# KiCad board central-control-unit.kicad_pcb (continued)
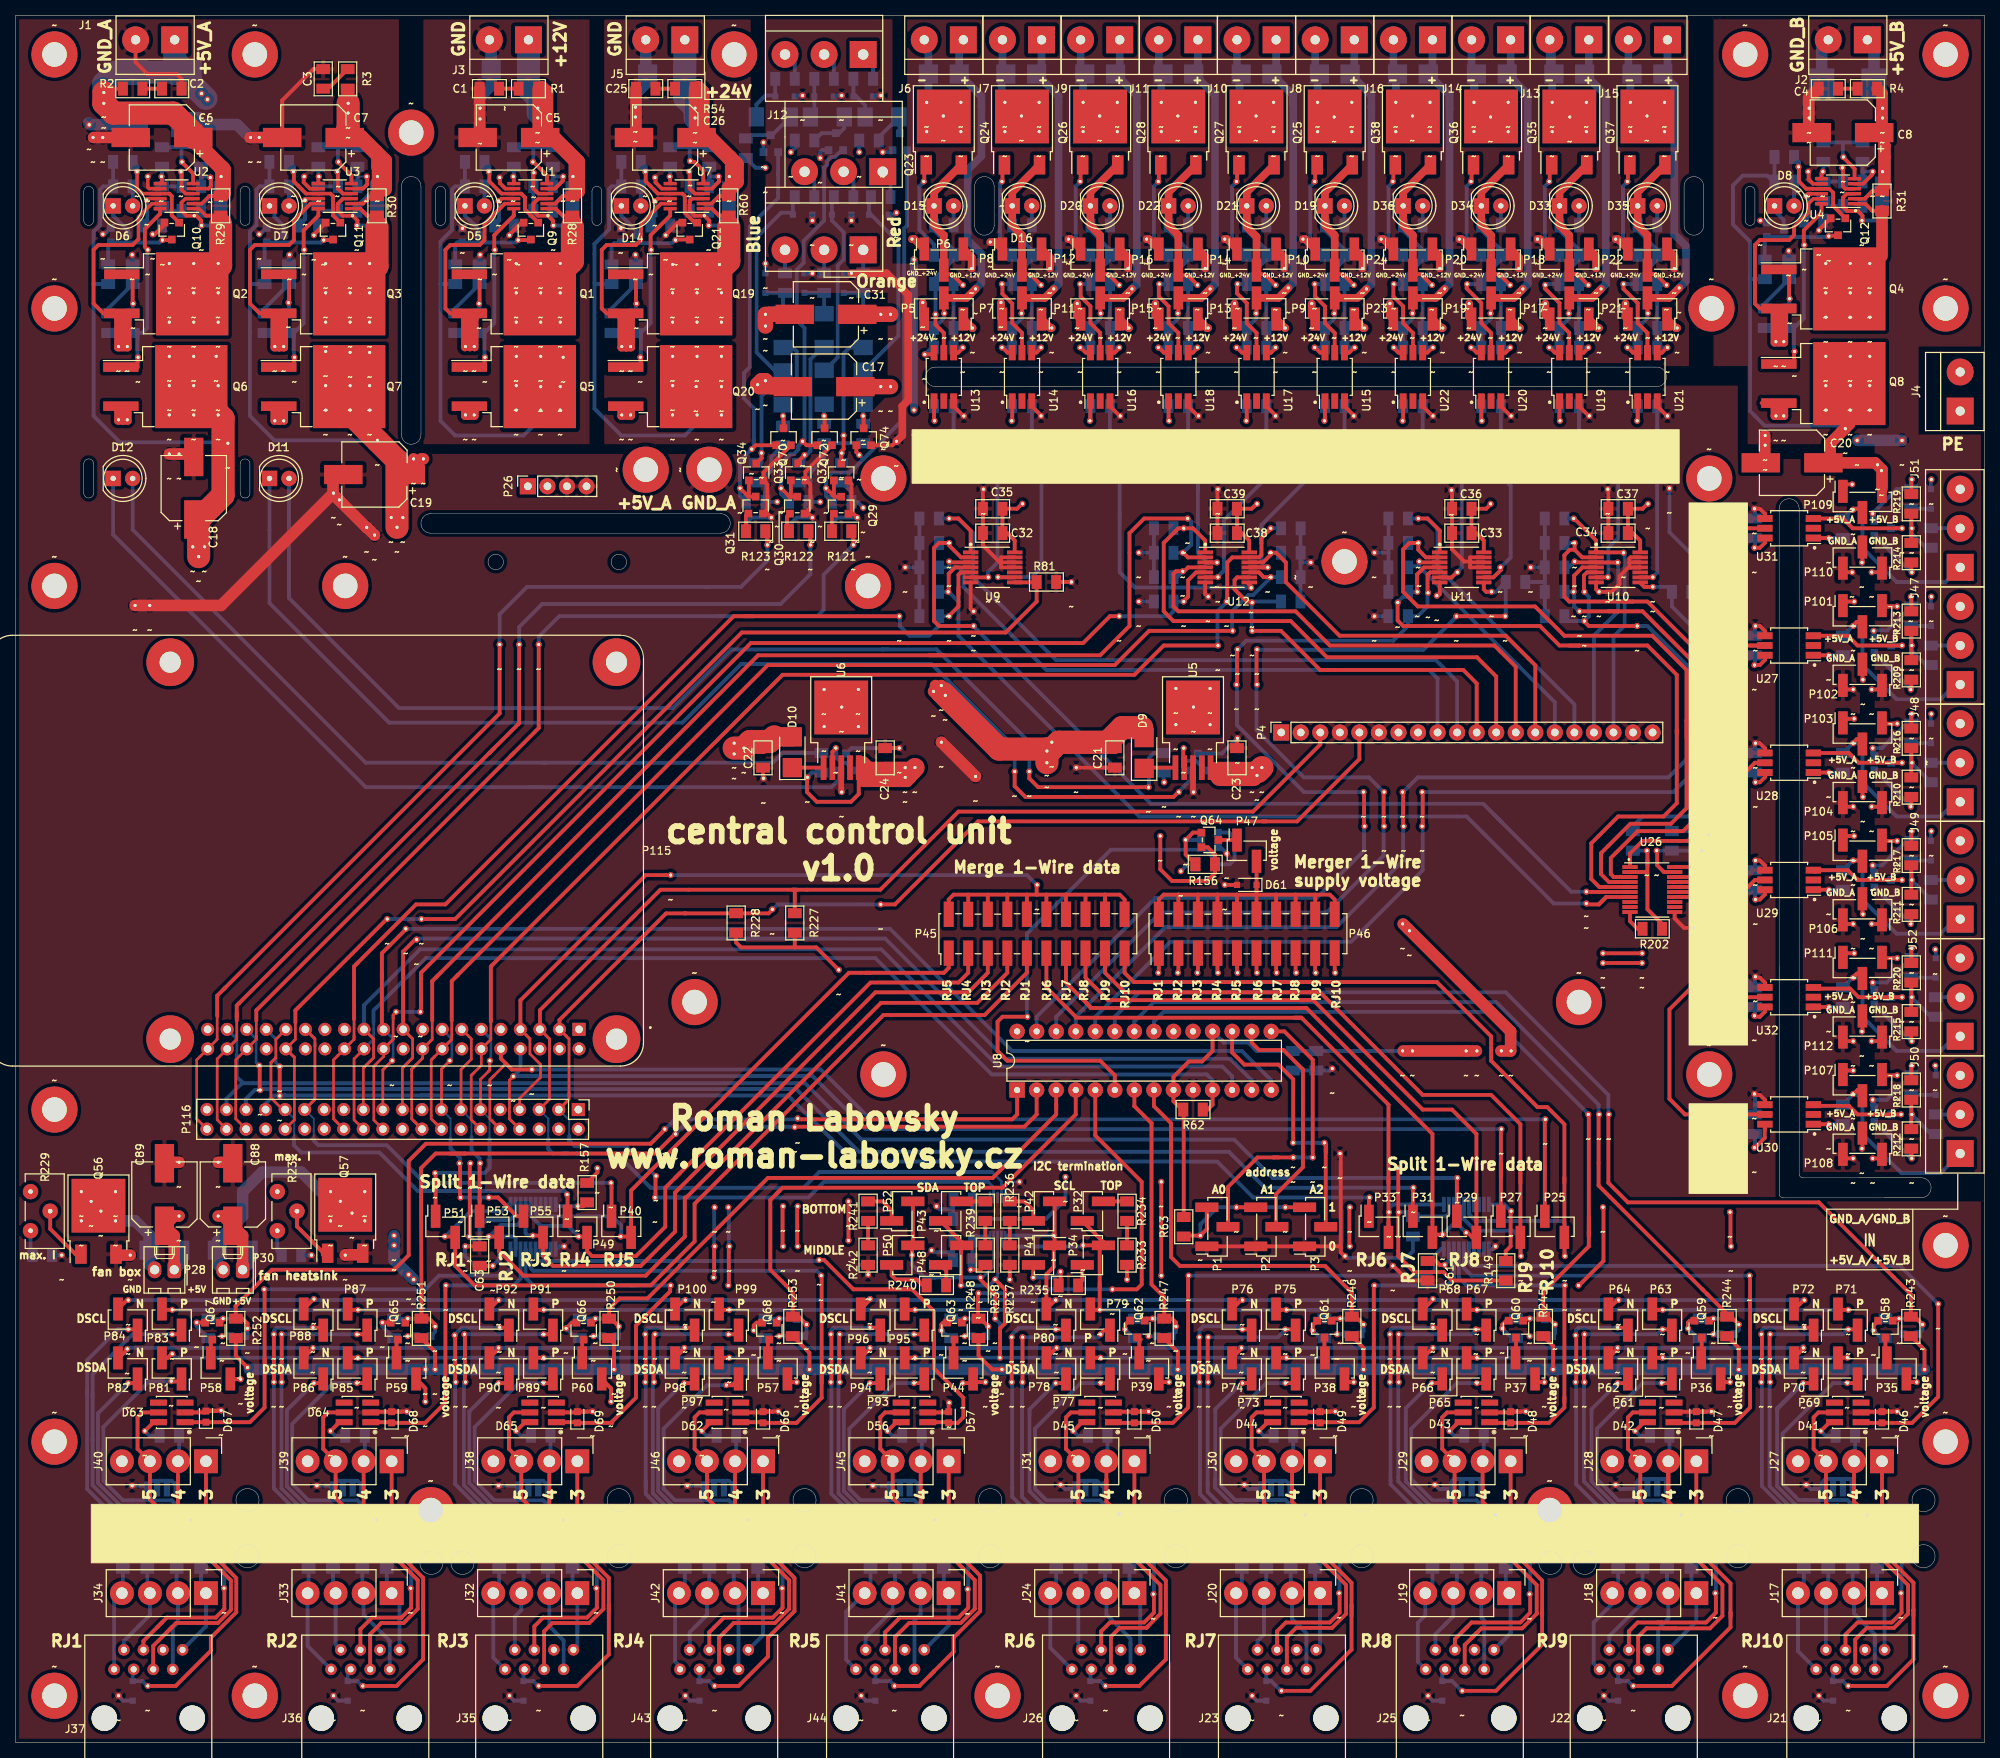
[diagram p0: board, top side]
## Placement (name value [footprint] x y rotation side) (continued)
P40  1x2_pin_header  [1x2_pinheader_2.54mm_vertical]  78.74 67.06 0 top
P41  1x2_pin_header  [1x2_pinheader_2.54mm_vertical]  133.67 63.37 270 top
P42  1x2_pin_header  [1x2_pinheader_2.54mm_vertical]  133.67 69.09 90 top
P43  1x2_pin_header  [1x2_pinheader_2.54mm_vertical]  121.6 69.09 90 top
P44  1x2_pin_header  [1x2_pinheader_2.54mm_vertical]  123.19 48.64 0 top
P45  2x10_pin_header  [2x10_pinheader_2.54mm_vertical]  132.72 105.16 0 top
P46  2x10_pin_header  [2x10_pinheader_2.54mm_vertical]  160.02 105.16 0 top
P47  1x2_pin_header  [1x2_pinheader_2.54mm_vertical]  160.02 115.95 0 top
P48  1x2_pin_header  [1x2_pinheader_2.54mm_vertical]  121.6 63.37 90 top
P49  1x2_pin_header  [1x2_pinheader_2.54mm_vertical]  73.02 67.06 0 top
P50  1x2_pin_header  [1x2_pinheader_2.54mm_vertical]  115.25 63.37 270 top
P51  1x2_pin_header  [1x2_pinheader_2.54mm_vertical]  55.88 67.06 0 top
P52  1x2_pin_header  [1x2_pinheader_2.54mm_vertical]  115.25 69.09 90 top
P53  1x2_pin_header  [1x2_pinheader_2.54mm_vertical]  61.59 67.06 0 top
P55  1x2_pin_header  [1x2_pinheader_2.54mm_vertical]  67.31 67.06 0 top
P57  1x2_pin_header  [1x2_pinheader_2.54mm_vertical]  99.06 48.64 0 top
P58  1x2_pin_header  [1x2_pinheader_2.54mm_vertical]  26.67 48.64 0 top
P59  1x2_pin_header  [1x2_pinheader_2.54mm_vertical]  50.8 48.64 0 top
P60  1x2_pin_header  [1x2_pinheader_2.54mm_vertical]  74.93 48.64 0 top
P61  1x2_pin_header  [1x2_pinheader_2.54mm_vertical]  214 48.64 180 top
P62  1x2_pin_header  [1x2_pinheader_2.54mm_vertical]  208.28 48.64 180 top
P63  1x2_pin_header  [1x2_pinheader_2.54mm_vertical]  214 54.99 180 top
P64  1x2_pin_header  [1x2_pinheader_2.54mm_vertical]  208.28 54.99 180 top
P65  1x2_pin_header  [1x2_pinheader_2.54mm_vertical]  189.87 48.64 180 top
P66  1x2_pin_header  [1x2_pinheader_2.54mm_vertical]  184.15 48.64 180 top
P67  1x2_pin_header  [1x2_pinheader_2.54mm_vertical]  189.87 54.99 180 top
P68  1x2_pin_header  [1x2_pinheader_2.54mm_vertical]  184.15 54.99 180 top
P69  1x2_pin_header  [1x2_pinheader_2.54mm_vertical]  238.12 48.64 180 top
P70  1x2_pin_header  [1x2_pinheader_2.54mm_vertical]  232.41 48.64 180 top
P71  1x2_pin_header  [1x2_pinheader_2.54mm_vertical]  238.12 54.99 180 top
P72  1x2_pin_header  [1x2_pinheader_2.54mm_vertical]  232.41 54.99 180 top
P73  1x2_pin_header  [1x2_pinheader_2.54mm_vertical]  165.1 48.64 180 top
P74  1x2_pin_header  [1x2_pinheader_2.54mm_vertical]  159.39 48.64 180 top
P75  1x2_pin_header  [1x2_pinheader_2.54mm_vertical]  165.1 54.99 180 top
P76  1x2_pin_header  [1x2_pinheader_2.54mm_vertical]  159.39 54.99 180 top
P77  1x2_pin_header  [1x2_pinheader_2.54mm_vertical]  140.97 48.64 180 top
P78  1x2_pin_header  [1x2_pinheader_2.54mm_vertical]  135.26 48.64 180 top
P79  1x2_pin_header  [1x2_pinheader_2.54mm_vertical]  140.97 54.99 180 top
P80  1x2_pin_header  [1x2_pinheader_2.54mm_vertical]  135.26 54.99 180 top
P81  1x2_pin_header  [1x2_pinheader_2.54mm_vertical]  20.32 48.64 180 top
P82  1x2_pin_header  [1x2_pinheader_2.54mm_vertical]  14.6 48.64 180 top
P83  1x2_pin_header  [1x2_pinheader_2.54mm_vertical]  20.32 54.99 180 top
P84  1x2_pin_header  [1x2_pinheader_2.54mm_vertical]  14.6 54.99 180 top
P85  1x2_pin_header  [1x2_pinheader_2.54mm_vertical]  44.45 48.64 180 top
P86  1x2_pin_header  [1x2_pinheader_2.54mm_vertical]  38.73 48.64 180 top
P87  1x2_pin_header  [1x2_pinheader_2.54mm_vertical]  44.45 54.99 180 top
P88  1x2_pin_header  [1x2_pinheader_2.54mm_vertical]  38.73 54.99 180 top
P89  1x2_pin_header  [1x2_pinheader_2.54mm_vertical]  68.58 48.64 180 top
P90  1x2_pin_header  [1x2_pinheader_2.54mm_vertical]  62.86 48.64 180 top
P91  1x2_pin_header  [1x2_pinheader_2.54mm_vertical]  68.58 54.99 180 top
P92  1x2_pin_header  [1x2_pinheader_2.54mm_vertical]  62.86 54.99 180 top
P93  1x2_pin_header  [1x2_pinheader_2.54mm_vertical]  116.84 48.64 180 top
P94  1x2_pin_header  [1x2_pinheader_2.54mm_vertical]  111.12 48.64 180 top
P95  1x2_pin_header  [1x2_pinheader_2.54mm_vertical]  116.84 54.99 180 top
P96  1x2_pin_header  [1x2_pinheader_2.54mm_vertical]  111.12 54.99 180 top
P97  1x2_pin_header  [1x2_pinheader_2.54mm_vertical]  92.71 48.64 180 top
P98  1x2_pin_header  [1x2_pinheader_2.54mm_vertical]  87 48.64 180 top
P99  1x2_pin_header  [1x2_pinheader_2.54mm_vertical]  92.71 54.99 180 top
P100  1x2_pin_header  [1x2_pinheader_2.54mm_vertical]  87 54.99 180 top
P101  1x3_pin_header  [1x3_pinheader_2.54mm_vertical]  240.03 146.43 0 top
P102  1x3_pin_header  [1x3_pinheader_2.54mm_vertical]  240.03 138.81 180 top
P103  1x3_pin_header  [1x3_pinheader_2.54mm_vertical]  240.03 131.19 0 top
P104  1x3_pin_header  [1x3_pinheader_2.54mm_vertical]  240.03 123.57 180 top
P105  1x3_pin_header  [1x3_pinheader_2.54mm_vertical]  240.03 115.95 0 top
P106  1x3_pin_header  [1x3_pinheader_2.54mm_vertical]  240.03 108.33 180 top
P107  1x3_pin_header  [1x3_pinheader_2.54mm_vertical]  240.03 85.47 0 top
P108  1x3_pin_header  [1x3_pinheader_2.54mm_vertical]  240.03 77.85 180 top
P109  1x3_pin_header  [1x3_pinheader_2.54mm_vertical]  240.03 161.29 0 top
P110  1x3_pin_header  [1x3_pinheader_2.54mm_vertical]  240.03 154.05 180 top
P111  1x3_pin_header  [1x3_pinheader_2.54mm_vertical]  240.03 100.71 0 top
P112  1x3_pin_header  [1x3_pinheader_2.54mm_vertical]  240.03 93.09 180 top
P115  2x20_pin_socket  [module_raspberry_pi_4b]  39.12 115.95 180 top
P116  2x20_pin_header  [2x20_pinheader_2.54mm_rpi_rl]  73.15 81.03 270 top
Q1  AOB1608L  [to_263_2]  64.77 188.34 0 top
Q2  AOB1608L  [to_263_2]  19.6 188.34 0 top
Q3  AOB1608L  [to_263_2]  40 188.34 0 top
Q4  AOB1608L  [to_263_2]  234.95 188.98 0 top
Q5  AOB1608L  [to_263_2]  64.77 176.28 0 top
Q6  AOB1608L  [to_263_2]  19.48 176.28 0 top
Q7  AOB1608L  [to_263_2]  40 176.28 0 top
Q8  AOB1608L  [to_263_2]  234.95 176.68 0 top
Q9  PMV213SN,215  [sot_23]  66.99 196.6 270 top
Q10  PMV213SN,215  [sot_23]  20.32 196.6 270 top
Q11  PMV213SN,215  [sot_23]  41.27 196.6 270 top
Q12  PMV213SN,215  [sot_23]  236.86 197.16 270 top
Q13  PMV213SN,215  [sot_23]  59.1 195.96 0 bottom
Q14  PMV213SN,215  [sot_23]  13.4 195.96 0 bottom
Q15  PMV213SN,215  [sot_23]  33.66 195.96 0 bottom
Q16  PMV213SN,215  [sot_23]  228.6 196.67 0 bottom
Q17  YJL2305A  [sot_23]  153.67 127.38 90 bottom
Q18  YJL2305A  [sot_23]  107.95 127.38 90 bottom
Q19  AOB1608L  [to_263_2]  85.09 188.34 0 top
Q20  AOB1608L  [to_263_2]  85.09 176.28 0 top
Q21  PMV213SN,215  [sot_23]  87.63 196.6 270 top
Q22  PMV213SN,215  [sot_23]  79.69 195.96 0 bottom
Q23  AOD458  [to_252_2]  120.65 209.3 90 top
Q24  AOD458  [to_252_2]  130.81 209.3 90 top
Q25  AOD458  [to_252_2]  171.45 209.3 90 top
Q26  AOD458  [to_252_2]  140.97 209.3 90 top
Q27  AOD458  [to_252_2]  161.29 209.3 90 top
Q28  AOD458  [to_252_2]  151.13 209.3 90 top
Q29  PMV213SN,215  [sot_23]  107.31 160.77 90 top
Q30  PMV213SN,215  [sot_23]  101.6 160.77 90 top
Q31  PMV213SN,215  [sot_23]  96.2 160.78 90 top
Q32  PMV213SN,215  [sot_23]  107.31 165.08 90 top
Q33  PMV213SN,215  [sot_23]  101.72 165.1 90 top
Q34  PMV213SN,215  [sot_23]  96.27 165.08 90 top
Q35  AOD458  [to_252_2]  201.93 209.3 90 top
Q36  AOD458  [to_252_2]  191.77 209.3 90 top
Q37  AOD458  [to_252_2]  212.09 209.3 90 top
Q38  AOD458  [to_252_2]  181.61 209.3 90 top
Q39  PMV213SN,215  [sot_23]  246.32 54.1 90 bottom
Q40  PMV213SN,215  [sot_23]  222.44 54.1 90 bottom
Q41  PMV213SN,215  [sot_23]  198.75 53.83 90 bottom
Q42  PMV213SN,215  [sot_23]  173.86 54.09 90 bottom
Q43  PMV213SN,215  [sot_23]  149.29 53.85 90 bottom
Q44  PMV213SN,215  [sot_23]  125.22 53.83 90 bottom
Q45  PMV213SN,215  [sot_23]  155.26 117.35 180 bottom
Q46  PMV213SN,215  [sot_23]  101.54 53.85 90 bottom
Q47  PMV213SN,215  [sot_23]  28.89 53.85 90 bottom
Q48  PMV213SN,215  [sot_23]  53.02 53.85 90 bottom
Q49  PMV213SN,215  [sot_23]  77.22 53.83 90 bottom
Q50  PMV213SN,215  [sot_23]  242.57 142.62 0 bottom
Q51  PMV213SN,215  [sot_23]  242.57 127.38 0 bottom
Q52  PMV213SN,215  [sot_23]  242.57 112.14 0 bottom
Q53  PMV213SN,215  [sot_23]  242.57 81.66 0 bottom
Q54  PMV213SN,215  [sot_23]  242.57 157.86 0 bottom
Q55  PMV213SN,215  [sot_23]  242.57 96.9 0 bottom
Q56  YJD20N06A  [to_252_2]  10.79 67.69 90 top
Q57  YJD20N06A  [to_252_2]  42.86 67.82 90 top
Q58  BXT600P03M  [sot_23]  243.01 53.85 270 top
Q59  BXT600P03M  [sot_23]  219.14 53.85 270 top
Q60  BXT600P03M  [sot_23]  195.01 53.85 270 top
Q61  BXT600P03M  [sot_23]  170.12 53.85 270 top
Q62  BXT600P03M  [sot_23]  145.8 53.86 270 top
Q63  BXT600P03M  [sot_23]  122.04 53.61 270 top
Q64  BXT600P03M  [sot_23]  155.13 117.35 0 top
Q65  BXT600P03M  [sot_23]  49.72 53.59 270 top
Q66  BXT600P03M  [sot_23]  73.85 53.59 270 top
Q67  BXT600P03M  [sot_23]  25.59 53.59 270 top
Q68  BXT600P03M  [sot_23]  97.98 53.59 270 top
Q69  PMV213SN,215  [sot_23]  98.17 207.77 90 bottom
Q70  PMV213SN,215  [sot_23]  99.82 169.66 90 top
Q71  PMV213SN,215  [sot_23]  114.93 208.01 90 bottom
Q72  PMV213SN,215  [sot_23]  105.16 169.66 90 top
Q73  PMV213SN,215  [sot_23]  106.62 208.03 90 bottom
Q74  PMV213SN,215  [sot_23]  110.24 169.66 90 top
R1  10R  [r_1206]  66.67 215.01 180 top
R2  10R  [r_1206]  15.24 215.01 0 top
R3  10R  [r_1206]  43.18 216.28 90 top
R4  10R  [r_1206]  240.67 215.01 180 top
R5  649k  [r_1206]  68.58 199.14 180 bottom
R6  7k32  [r_1206]  68.58 202.31 0 bottom
R7  11k  [r_1206]  69.85 206.12 90 bottom
R8  61k9  [r_1206]  64.77 206.12 270 bottom
R9  825k  [r_1206]  22.86 199.14 180 bottom
R10  12k1  [r_1206]  19.05 201.04 90 bottom
R11  4k12  [r_1206]  22.86 202.31 0 bottom
R12  13k7  [r_1206]  24.13 206.12 90 bottom
R13  150k  [r_1206]  19.05 206.12 270 bottom
R14  825k  [r_1206]  43.18 199.14 180 bottom
R15  12k1  [r_1206]  39.37 201.04 90 bottom
R16  4k12  [r_1206]  43.18 202.31 0 bottom
R17  13k7  [r_1206]  44.45 206.12 90 bottom
R18  150k  [r_1206]  39.37 206.12 270 bottom
R19  825k  [r_1206]  238.76 199.77 180 bottom
R20  12k1  [r_1206]  234.95 201.68 90 bottom
R21  4k12  [r_1206]  238.76 202.95 0 bottom
R22  13k7  [r_1206]  240.03 206.76 90 bottom
R23  150k  [r_1206]  234.95 206.76 270 bottom
R24  100k  [r_1206]  72.39 201.04 270 bottom
R25  100k  [r_1206]  26.67 201.04 270 bottom
R26  100k  [r_1206]  46.99 201.04 270 bottom
R27  100k  [r_1206]  242.57 201.68 270 bottom
R28  47m  [r_1206]  72.39 199.77 90 top
R29  15m  [r_1206]  26.67 199.77 90 top
R30  47m  [r_1206]  46.99 199.77 90 top
R31  100m  [r_1206]  242.57 200.41 90 top
R32  10R  [r_1206]  60.33 184.53 270 bottom
R33  10R  [r_1206]  15.24 184.53 270 bottom
R34  10R  [r_1206]  35.56 184.53 270 bottom
R35  10R  [r_1206]  230.51 185.17 270 bottom
R36  1k  [r_1206]  57.15 184.53 270 bottom
R37  1k  [r_1206]  12.06 184.53 270 bottom
R38  1k  [r_1206]  32.38 184.53 270 bottom
R39  1k  [r_1206]  227.33 185.17 270 bottom
R40  100k  [r_1206]  59.69 205.49 0 bottom
R41  100k  [r_1206]  13.97 205.49 0 bottom
R42  100k  [r_1206]  34.29 205.49 0 bottom
R43  100k  [r_1206]  229.87 206.12 0 bottom
R44  100k  [r_1206]  57.15 190.88 90 bottom
R45  100k  [r_1206]  12.06 190.88 90 bottom
R46  100k  [r_1206]  32.38 190.88 90 bottom
R47  100k  [r_1206]  227.33 191.52 90 bottom
R48  1k02  [r_1206]  59.69 202.31 0 bottom
R49  330R  [r_1206]  13.97 202.31 0 bottom
R50  330R  [r_1206]  34.29 202.31 0 bottom
R51  330R  [r_1206]  229.87 202.95 0 bottom
R52  150R  [r_1206]  149.23 127.38 90 bottom
R53  150R  [r_1206]  104.77 127.38 90 bottom
R54  10R  [r_1206]  87 215.01 180 top
R55  825k  [r_1206]  88.9 199.14 180 bottom
R56  1k6  [r_1206]  88.9 202.31 0 bottom
R57  2k74  [r_1206]  90.17 206.12 90 bottom
R58  32k4  [r_1206]  85.09 206.12 270 bottom
R59  100k  [r_1206]  92.71 201.04 270 bottom
R60  47m  [r_1206]  92.71 199.77 90 top
R61  10R  [r_1206]  80.64 184.53 270 bottom
R62  10k  [r_1206]  153.04 82.3 0 top
R63  10k  [r_1206]  151.83 67.06 270 top
R64  1k  [r_1206]  77.47 184.53 270 bottom
R65  100k  [r_1206]  80.01 205.49 0 bottom
R66  100k  [r_1206]  77.47 190.88 90 bottom
R67  2k21  [r_1206]  80.01 202.31 0 bottom
R68  10k  [r_1206]  118.74 152.78 180 bottom
R69  10k  [r_1206]  118.74 159.13 180 bottom
R70  10k  [r_1206]  200.03 152.78 180 bottom
R71  10k  [r_1206]  200.03 159.13 180 bottom
R72  10k  [r_1206]  179.71 159.13 180 bottom
R73  10k  [r_1206]  179.71 152.78 180 bottom
R74  10k  [r_1206]  118.74 149.61 180 bottom
R75  10k  [r_1206]  118.74 155.96 180 bottom
R76  10k  [r_1206]  200.03 149.61 180 bottom
R77  10k  [r_1206]  200.03 155.96 180 bottom
R78  10k  [r_1206]  179.71 155.96 180 bottom
R79  10k  [r_1206]  179.71 149.61 180 bottom
R80  10k  [r_1206]  118.74 146.43 180 bottom
R81  10k  [r_1206]  133.99 150.88 0 top
R82  10k  [r_1206]  200.03 146.43 180 bottom
R83  10k  [r_1206]  216.54 149.61 0 bottom
R84  10k  [r_1206]  194.95 150.88 0 bottom
R85  10k  [r_1206]  179.71 146.43 180 bottom
R86  10k  [r_1206]  149.23 157.86 180 bottom
R87  10k  [r_1206]  149.23 151.51 180 bottom
R88  10k  [r_1206]  165.74 148.34 0 bottom
R89  10k  [r_1206]  165.74 154.69 0 bottom
R90  10k  [r_1206]  149.23 154.69 180 bottom
R91  10k  [r_1206]  149.23 148.34 180 bottom
R92  10k  [r_1206]  165.74 151.51 0 bottom
R93  10k  [r_1206]  165.74 157.86 0 bottom
R94  576R  [r_1206]  120.65 173.74 180 bottom
R95  576R  [r_1206]  130.81 173.74 180 bottom
R96  1k8/0.5W  [r_1206]  120.65 197.23 0 bottom
R97  1k8/0.5W  [r_1206]  130.81 197.23 0 bottom
R98  NC (10k)  [r_1206]  120.65 189.61 0 bottom
R99  1k  [r_1206]  120.65 193.42 0 bottom
R100  NC (10k)  [r_1206]  130.81 189.61 0 bottom
R101  1k  [r_1206]  130.81 193.42 0 bottom
R102  576R  [r_1206]  171.45 173.74 180 bottom
R103  576R  [r_1206]  140.97 173.74 180 bottom
R104  576R  [r_1206]  161.29 173.74 180 bottom
R105  576R  [r_1206]  151.13 173.74 180 bottom
R106  1k8/0.5W  [r_1206]  171.45 197.23 0 bottom
R107  1k8/0.5W  [r_1206]  140.97 197.23 0 bottom
R108  NC (10k)  [r_1206]  171.45 189.61 0 bottom
R109  1k8/0.5W  [r_1206]  161.29 197.23 0 bottom
R110  1k8/0.5W  [r_1206]  151.13 197.23 0 bottom
R111  NC (10k)  [r_1206]  140.97 189.61 0 bottom
R112  1k  [r_1206]  171.45 193.42 0 bottom
R113  NC (10k)  [r_1206]  161.29 189.61 0 bottom
R114  1k  [r_1206]  140.97 193.42 0 bottom
R115  NC (10k)  [r_1206]  151.13 189.61 0 bottom
R116  1k  [r_1206]  161.29 193.42 0 bottom
R117  1k  [r_1206]  151.13 193.42 0 bottom
R118  10k  [r_1206]  107.38 157.48 180 bottom
R119  10k  [r_1206]  101.79 157.48 180 bottom
R120  10k  [r_1206]  96.2 157.48 180 bottom
R121  1k  [r_1206]  107.38 157.48 0 top
R122  1k  [r_1206]  101.79 157.48 0 top
R123  1k  [r_1206]  96.2 157.48 0 top
R124  10k  [r_1206]  107.38 161.29 180 bottom
R125  10k  [r_1206]  101.79 161.29 180 bottom
R126  10k  [r_1206]  96.2 161.29 180 bottom
R127  4k7  [r_1206]  107.38 165.1 90 bottom
R128  4k7  [r_1206]  101.79 165.1 90 bottom
R129  4k7  [r_1206]  96.2 165.1 90 bottom
R130  10R/0.5W  [r_1206]  110.17 189.74 90 bottom
R131  10R/0.5W  [r_1206]  105.09 189.74 90 bottom
R132  10R/0.5W  [r_1206]  100.01 189.74 90 bottom
R133  576R  [r_1206]  201.93 173.74 180 bottom
R134  576R  [r_1206]  191.77 173.74 180 bottom
R135  576R  [r_1206]  212.09 173.74 180 bottom
R136  576R  [r_1206]  181.61 173.74 180 bottom
R137  1k8/0.5W  [r_1206]  201.93 197.23 0 bottom
R138  1k8/0.5W  [r_1206]  191.77 197.23 0 bottom
R139  1k8/0.5W  [r_1206]  212.09 197.23 0 bottom
R140  1k8/0.5W  [r_1206]  181.61 197.23 0 bottom
R141  NC (10k)  [r_1206]  201.93 189.61 0 bottom
R142  NC (10k)  [r_1206]  191.77 189.61 0 bottom
R143  NC (10k)  [r_1206]  212.09 189.61 0 bottom
R144  NC (10k)  [r_1206]  181.61 189.61 0 bottom
R145  1k  [r_1206]  201.93 193.42 0 bottom
R146  1k  [r_1206]  191.77 193.42 0 bottom
R147  1k  [r_1206]  212.09 193.42 0 bottom
R148  1k  [r_1206]  181.61 193.42 0 bottom
R149  10k  [r_1206]  193.68 61.34 90 top
R150  10k  [r_1206]  243.01 53.85 90 bottom
R151  10k  [r_1206]  218.88 53.85 90 bottom
R152  10k  [r_1206]  195.01 53.85 90 bottom
R153  10k  [r_1206]  170.12 53.85 90 bottom
R154  10k  [r_1206]  145.48 53.85 90 bottom
R155  10k  [r_1206]  121.6 53.85 90 bottom
R156  10k  [r_1206]  154.62 114.17 180 top
R157  10k  [r_1206]  74.3 71.5 270 top
R158  10k  [r_1206]  97.47 53.85 90 bottom
R159  10k  [r_1206]  25.08 53.85 90 bottom
R160  10k  [r_1206]  49.21 53.85 90 bottom
R161  10k  [r_1206]  73.34 53.85 90 bottom
R162  10R/0.5W  [r_1206]  217.81 23.88 90 bottom
R163  10R/0.5W  [r_1206]  214.63 23.88 90 bottom
R164  10R/0.5W  [r_1206]  211.46 23.88 90 bottom
R165  10R/0.5W  [r_1206]  208.28 23.88 90 bottom
R166  10R/0.5W  [r_1206]  193.68 23.88 90 bottom
R167  10R/0.5W  [r_1206]  190.5 23.88 90 bottom
R168  10R/0.5W  [r_1206]  187.33 23.88 90 bottom
R169  10R/0.5W  [r_1206]  184.15 23.88 90 bottom
R170  10R/0.5W  [r_1206]  241.94 23.88 90 bottom
R171  10R/0.5W  [r_1206]  238.76 23.88 90 bottom
R172  10R/0.5W  [r_1206]  235.59 23.88 90 bottom
R173  10R/0.5W  [r_1206]  232.41 23.88 90 bottom
R174  10R/0.5W  [r_1206]  168.91 23.88 90 bottom
R175  10R/0.5W  [r_1206]  165.74 23.88 90 bottom
R176  10R/0.5W  [r_1206]  162.56 23.88 90 bottom
R177  10R/0.5W  [r_1206]  159.39 23.88 90 bottom
R178  10R/0.5W  [r_1206]  144.78 23.88 90 bottom
R179  10R/0.5W  [r_1206]  141.61 23.88 90 bottom
R180  10R/0.5W  [r_1206]  138.43 23.88 90 bottom
R181  10R/0.5W  [r_1206]  135.26 23.88 90 bottom
R182  10R/0.5W  [r_1206]  24.13 23.88 90 bottom
R183  10R/0.5W  [r_1206]  20.95 23.88 90 bottom
R184  10R/0.5W  [r_1206]  17.15 23.88 90 bottom
R185  10R/0.5W  [r_1206]  13.97 23.88 90 bottom
R186  10R/0.5W  [r_1206]  48.26 23.88 90 bottom
R187  10R/0.5W  [r_1206]  45.09 23.88 90 bottom
R188  10R/0.5W  [r_1206]  41.27 23.88 90 bottom
R189  10R/0.5W  [r_1206]  38.1 23.88 90 bottom
R190  10R/0.5W  [r_1206]  72.39 23.88 90 bottom
R191  10R/0.5W  [r_1206]  69.22 23.88 90 bottom
R192  10R/0.5W  [r_1206]  66.04 23.88 90 bottom
R193  10R/0.5W  [r_1206]  62.86 23.88 90 bottom
R194  10R/0.5W  [r_1206]  120.65 23.88 90 bottom
R195  10R/0.5W  [r_1206]  117.48 23.88 90 bottom
R196  10R/0.5W  [r_1206]  114.3 23.88 90 bottom
R197  10R/0.5W  [r_1206]  111.12 23.88 90 bottom
R198  10R/0.5W  [r_1206]  96.52 23.88 90 bottom
R199  10R/0.5W  [r_1206]  93.34 23.88 90 bottom
R200  10R/0.5W  [r_1206]  90.17 23.88 90 bottom
R201  10R/0.5W  [r_1206]  87 23.88 90 bottom
R202  10k  [r_1206]  212.73 105.79 180 top
R203  1k15  [r_1206]  237.49 142.62 270 bottom
R204  1k15  [r_1206]  237.49 127.38 270 bottom
R205  1k15  [r_1206]  237.49 112.14 270 bottom
R206  1k15  [r_1206]  237.49 81.66 270 bottom
R207  1k15  [r_1206]  237.49 157.86 270 bottom
R208  1k15  [r_1206]  237.49 96.9 270 bottom
R209  1k  [r_1206]  246.38 139.45 270 top
R210  1k  [r_1206]  246.38 124.21 270 top
R211  1k  [r_1206]  246.38 108.97 270 top
R212  1k  [r_1206]  246.38 78.49 270 top
R213  10k  [r_1206]  246.38 145.8 270 top
R214  1k  [r_1206]  246.38 154.69 270 top
R215  1k  [r_1206]  246.38 93.73 270 top
R216  10k  [r_1206]  246.38 130.56 270 top
R217  10k  [r_1206]  246.38 115.32 270 top
R218  10k  [r_1206]  246.38 84.84 270 top
R219  10k  [r_1206]  246.38 161.04 270 top
R220  10k  [r_1206]  246.38 100.08 270 top
R221  10R/0.5W  [r_1206]  248.92 141.35 270 bottom
R222  10R/0.5W  [r_1206]  248.92 126.11 270 bottom
R223  10R/0.5W  [r_1206]  248.92 110.87 270 bottom
R224  10R/0.5W  [r_1206]  249.56 80.39 270 bottom
R225  10R/0.5W  [r_1206]  248.92 156.59 270 bottom
R226  10R/0.5W  [r_1206]  249.56 95.63 270 bottom
R227  10k  [r_1206]  101.28 106.55 90 top
R228  10k  [r_1206]  93.66 106.55 90 top
R229  10k  [trimmer_t910y]  3.81 69.09 270 top
R230  10k  [r_1206]  3.49 63.37 180 bottom
R231  10k  [trimmer_t910y]  35.88 69.09 270 top
R232  10k  [r_1206]  35.88 63.37 180 bottom
R233  210R  [r_1206]  144.46 63.37 90 top
R234  390R  [r_1206]  144.46 69.09 90 top
R235  100R/120R  [r_1206]  136.84 59.44 180 top
R236  390R  [r_1206]  129.22 69.09 270 top
R237  210R  [r_1206]  129.22 63.37 270 top
R238  210R  [r_1206]  126.05 63.37 90 top
R239  390R  [r_1206]  126.05 69.09 90 top
R240  100R/120R  [r_1206]  119.7 59.44 180 top
R241  390R  [r_1206]  110.81 69.09 270 top
R242  210R  [r_1206]  110.81 63.37 270 top
R243  10k  [r_1206]  246.32 54.1 90 top
R244  10k  [r_1206]  222.44 54.1 90 top
R245  10k  [r_1206]  198.56 54.1 90 top
R246  10k  [r_1206]  173.67 54.1 90 top
R247  10k  [r_1206]  149.29 53.85 90 top
R248  10k  [r_1206]  125.16 53.85 90 top
R249  10k  [r_1206]  154.62 114.17 0 bottom
R250  10k  [r_1206]  77.15 53.85 90 top
R251  10k  [r_1206]  52.77 53.85 90 top
R252  10k  [r_1206]  28.64 53.85 90 top
R253  10k  [r_1206]  101.03 54.1 90 top
R254  4k7  [r_1206]  94.93 207.26 90 bottom
R255  4k7  [r_1206]  99.76 169.93 90 bottom
R256  4k7  [r_1206]  110.93 208.28 0 bottom
R257  4k7  [r_1206]  105.09 170.18 90 bottom
R258  4k7  [r_1206]  102.55 208.28 0 bottom
R259  4k7  [r_1206]  110.17 170.18 90 bottom
R260  10R/0.5W  [r_1206]  100.01 216.28 0 bottom
R261  10R/0.5W  [r_1206]  102.55 200.91 0 bottom
R262  10R/0.5W  [r_1206]  110.17 216.28 0 bottom
R263  10R/0.5W  [r_1206]  107.63 200.91 0 bottom
R264  10R/0.5W  [r_1206]  105.09 216.28 0 bottom
R265  10R/0.5W  [r_1206]  112.46 200.91 0 bottom
R266  NC (100R)  [r_1206]  213.68 39.88 0 bottom
R267  NC (100R)  [r_1206]  116.52 39.88 0 bottom
R268  NC (100R)  [r_1206]  189.55 39.88 0 bottom
R269  NC (100R)  [r_1206]  140.65 39.88 0 bottom
R270  NC (100R)  [r_1206]  237.81 39.88 0 bottom
R271  NC (100R)  [r_1206]  164.78 39.88 0 bottom
R272  NC (100R)  [r_1206]  44.13 39.88 0 bottom
R273  NC (100R)  [r_1206]  68.26 39.88 0 bottom
R274  NC (100R)  [r_1206]  20 39.88 0 bottom
R275  NC (100R)  [r_1206]  92.39 39.88 0 bottom
U1  LTC4231_MSOP  [msop_12]  66.92 201.04 180 top
U2  LTC4231_MSOP  [msop_12]  20.95 201.04 180 top
U3  LTC4231_MSOP  [msop_12]  41.52 201.04 180 top
U4  LTC4231_MSOP  [msop_12]  236.86 201.68 180 top
U5  TPS7B87-Q1  [to_252_5]  153.04 132.46 90 top
U6  TPS7B87-Q1  [to_252_5]  107.31 132.46 90 top
U7  LTC4231_MSOP  [msop_12]  87.24 201.04 180 top
U8  MCP23S17  [spdip_28]  146.69 88.65 90 top
U9  SN74HCS4075-Q1  [tssop_14]  127 152.78 0 top
U10  SN74HCS4075-Q1  [tssop_14]  208.28 152.78 0 top
U11  SN74HCS4075-Q1  [tssop_14]  187.96 152.78 0 top
U12  SN74HCS32-Q1  [tssop_14]  157.48 152.78 0 top
U13  TLP2345  [so_6]  120.65 177.55 90 top
U14  TLP2345  [so_6]  130.81 177.55 90 top
U15  TLP2345  [so_6]  171.45 177.55 90 top
U16  TLP2345  [so_6]  140.97 177.55 90 top
U17  TLP2345  [so_6]  161.29 177.55 90 top
U18  TLP2345  [so_6]  151.13 177.55 90 top
U19  TLP2345  [so_6]  201.93 177.55 90 top
U20  TLP2345  [so_6]  191.77 177.55 90 top
U21  TLP2345  [so_6]  212.09 177.55 90 top
U22  TLP2345  [so_6]  181.61 177.55 90 top
U23  TXS0108E  [tssop_20]  189.87 67.06 270 bottom
U24  TXS0108E  [tssop_20]  68.58 67.06 270 bottom
U25  PCA9615  [tssop_10]  127.64 68.33 270 bottom
U26  TXS0108E  [tssop_20]  212.73 109.6 0 top
U27  TLP2345  [so_6]  230.51 142.62 180 top
U28  TLP2345  [so_6]  230.51 127.38 180 top
U29  TLP2345  [so_6]  230.51 112.14 180 top
U30  TLP2345  [so_6]  230.51 81.66 180 top
U31  TLP2345  [so_6]  230.51 157.86 180 top
U32  TLP2345  [so_6]  230.51 96.9 180 top
~  -  [mounting_hole_pad_3.2x6mm]  5.08 219.46 0 top
~#2  -  [mounting_hole_pad_3.2x6mm]  250.83 219.46 0 top
~#3  -  [mounting_hole_pad_3.2x6mm]  250.83 6.1 0 top
~#4  -  [mounting_hole_pad_3.2x6mm]  5.08 6.1 0 top
~#5  -  [mounting_hole_pad_3.2x6mm]  5.08 82.3 0 top
~#6  -  [mounting_hole_pad_3.2x6mm]  224.79 219.46 0 top
~#7  -  [mounting_hole_pad_3.2x6mm]  42.86 150.37 0 top
~#8  -  [mounting_hole_pad_3.2x6mm]  203.2 96.27 0 top
~#9  -  [mounting_hole_pad_3.2x6mm]  172.72 153.54 0 top
~#10  -  [mounting_hole_pad_3.2x6mm]  88.27 96.27 0 top
~#11  mounting_hole_pad  [mounting_hole_pad_3.2x6mm#2]  81.91 165.48 90 top
~#12  mounting_hole_pad  [mounting_hole_pad_3.2x6mm#2]  90.17 165.48 90 top
~#13  -  [mounting_hole_pad_3.2x6mm]  250.83 186.44 0 top
~#14  -  [mounting_hole_pad_3.2x6mm]  5.08 39.12 0 top
~#15  -  [mounting_hole_pad_3.2x6mm]  5.08 186.44 0 top
~#16  -  [mounting_hole_pad_3.2x6mm]  127.64 6.1 0 top
~#17  -  [mounting_hole_pad_3.2x6mm]  31.11 6.1 0 top
~#18  -  [mounting_hole_pad_3.2x6mm]  224.79 6.1 0 top
~#19  -  [mounting_hole_pad_3.2x6mm]  5.08 150.37 0 top
~#20  -  [mounting_hole_pad_3.2x6mm]  53.97 30.23 0 top
~#21  -  [mounting_hole_pad_3.2x6mm]  199.39 30.23 0 top
~#22  -  [mounting_hole_pad_3.2x6mm]  51.43 209.3 0 top
~#23  -  [mounting_hole_pad_3.2x6mm]  220.41 186.44 0 top
~#24  -  [mounting_hole_pad_3.2x6mm]  112.8 86.87 0 top
~#25  -  [mounting_hole_pad_3.2x6mm]  112.8 164.34 0 top
~#26  -  [mounting_hole_pad_3.2x6mm]  220.12 164.34 0 top
~#27  -  [mounting_hole_pad_3.2x6mm]  220.12 86.87 0 top
~#28  -  [mounting_hole_pad_3.2x6mm]  31.11 219.46 0 top
~#29  ~  [via_pad_0.4x0.8mm]  17.21 7.37 0 top
~#30  ~  [via_pad_0.4x0.8mm]  13.4 6.1 0 top
~#31  ~  [via_pad_0.4x0.8mm]  41.34 6.1 0 top
~#32  ~  [via_pad_0.4x0.8mm]  64.2 6.1 0 top
~#33  ~  [via_pad_0.4x0.8mm]  87.06 6.1 0 top
~#34  ~  [via_pad_0.4x0.8mm]  109.92 6.1 0 top
~#35  ~  [via_pad_0.4x0.8mm]  137.86 6.1 0 top
~#36  ~  [via_pad_0.4x0.8mm]  160.72 6.1 0 top
~#37  ~  [via_pad_0.4x0.8mm]  183.58 6.1 0 top
~#38  ~  [via_pad_0.4x0.8mm]  206.44 6.1 0 top
~#39  ~  [via_pad_0.4x0.8mm]  234.38 6.1 0 top
~#40  ~  [via_pad_0.4x0.8mm]  45.15 7.37 0 top
~#41  ~  [via_pad_0.4x0.8mm]  68.01 7.37 0 top
~#42  ~  [via_pad_0.4x0.8mm]  90.87 7.37 0 top
~#43  ~  [via_pad_0.4x0.8mm]  114.24 7.37 0 top
~#44  ~  [via_pad_0.4x0.8mm]  141.67 7.37 0 top
~#45  ~  [via_pad_0.4x0.8mm]  164.53 6.73 0 top
~#46  ~  [via_pad_0.4x0.8mm]  188.02 6.73 0 top
~#47  ~  [via_pad_0.4x0.8mm]  210.25 7.37 0 top
~#48  ~  [via_pad_0.4x0.8mm]  238.19 7.37 0 top
~#49  ~  [via_pad_0.4x0.8mm]  27.11 20.07 0 top
~#50  ~  [via_pad_0.4x0.8mm]  22.8 28.96 0 top
~#51  ~  [via_pad_0.4x0.8mm]  15.18 33.4 0 top
~#52  ~  [via_pad_0.4x0.8mm]  51.37 20.07 0 top
~#53  ~  [via_pad_0.4x0.8mm]  39.18 33.4 0 top
~#54  ~  [via_pad_0.4x0.8mm]  46.93 28.96 0 top
~#55  ~  [via_pad_0.4x0.8mm]  75.5 20.07 0 top
~#56  ~  [via_pad_0.4x0.8mm]  71.18 28.96 0 top
~#57  ~  [via_pad_0.4x0.8mm]  62.8 33.4 0 top
~#58  ~  [via_pad_0.4x0.8mm]  99.63 20.07 0 top
~#59  ~  [via_pad_0.4x0.8mm]  95.19 28.96 0 top
~#60  ~  [via_pad_0.4x0.8mm]  87.31 33.4 0 top
~#61  ~  [via_pad_0.4x0.8mm]  123.76 19.94 0 top
~#62  ~  [via_pad_0.4x0.8mm]  119.44 28.96 0 top
~#63  ~  [via_pad_0.4x0.8mm]  111.44 33.4 0 top
~#64  ~  [via_pad_0.4x0.8mm]  147.89 19.3 0 top
~#65  ~  [via_pad_0.4x0.8mm]  143.45 29.72 0 top
~#66  ~  [via_pad_0.4x0.8mm]  135.83 33.53 0 top
~#67  ~  [via_pad_0.4x0.8mm]  196.79 19.3 0 top
~#68  ~  [via_pad_0.4x0.8mm]  172.02 19.43 0 top
~#69  ~  [via_pad_0.4x0.8mm]  167.58 29.59 0 top
~#70  ~  [via_pad_0.4x0.8mm]  159.7 33.53 0 top
~#71  ~  [via_pad_0.4x0.8mm]  192.34 29.59 0 top
~#72  ~  [via_pad_0.4x0.8mm]  184.47 33.53 0 top
~#73  ~  [via_pad_0.4x0.8mm]  220.92 19.43 0 top
~#74  ~  [via_pad_0.4x0.8mm]  216.47 29.59 0 top
~#75  ~  [via_pad_0.4x0.8mm]  207.96 33.53 0 top
~#76  ~  [via_pad_0.4x0.8mm]  232.73 33.53 0 top
~#77  ~  [via_pad_0.4x0.8mm]  245.05 19.43 0 top
~#78  ~  [via_pad_0.4x0.8mm]  240.6 29.59 0 top
~#79  ~  [via_pad_0.4x0.8mm]  26.73 43.18 0 top
~#80  ~  [via_pad_0.4x0.8mm]  26.86 52.83 0 top
~#81  ~  [via_pad_0.4x0.8mm]  29.27 47.24 0 top
~#82  ~  [via_pad_0.4x0.8mm]  20.26 46.99 0 top
~#83  ~  [via_pad_0.4x0.8mm]  14.67 46.74 0 top
~#84  ~  [via_pad_0.4x0.8mm]  203.14 59.44 0 top
~#85  ~  [via_pad_0.4x0.8mm]  201.36 59.44 0 top
~#86  ~  [via_pad_0.4x0.8mm]  198.69 46.86 0 top
~#87  ~  [via_pad_0.4x0.8mm]  189.93 46.74 0 top
~#88  ~  [via_pad_0.4x0.8mm]  184.09 46.74 0 top
~#89  ~  [via_pad_0.4x0.8mm]  189.8 53.72 0 top
~#90  ~  [via_pad_0.4x0.8mm]  67.12 87.5 0 top
~#91  ~  [via_pad_0.4x0.8mm]  161.35 100.08 0 top
~#92  ~  [via_pad_0.4x0.8mm]  158.81 100.08 0 top
~#93  ~  [via_pad_0.4x0.8mm]  153.61 100.08 0 top
~#94  ~  [via_pad_0.4x0.8mm]  148.53 100.08 0 top
~#95  ~  [via_pad_0.4x0.8mm]  131.51 94.36 0 top
~#96  ~  [via_pad_0.4x0.8mm]  101.28 80.01 0 top
~#97  ~  [via_pad_0.4x0.8mm]  101.66 81.15 0 top
~#98  ~  [via_pad_0.4x0.8mm]  207.07 81.66 0 top
~#99  ~  [via_pad_0.4x0.8mm]  198.82 81.03 0 top
~#100  ~  [via_pad_0.4x0.8mm]  193.1 79.76 0 top
~#101  ~  [via_pad_0.4x0.8mm]  201.36 63.25 0 top
~#102  ~  [via_pad_0.4x0.8mm]  195.64 63.25 0 top
~#103  ~  [via_pad_0.4x0.8mm]  194.37 69.09 0 top
~#104  ~  [via_pad_0.4x0.8mm]  187.39 73.41 0 top
~#105  ~  [via_pad_0.4x0.8mm]  188.53 66.29 0 top
~#106  ~  [via_pad_0.4x0.8mm]  185.48 66.04 0 top
~#107  ~  [via_pad_0.4x0.8mm]  181.67 72.14 0 top
~#108  ~  [via_pad_0.4x0.8mm]  178.5 68.96 0 top
~#109  ~  [via_pad_0.4x0.8mm]  179.77 68.96 0 top
~#110  ~  [via_pad_0.4x0.8mm]  175.96 70.87 0 top
~#111  ~  [via_pad_0.4x0.8mm]  173.42 64.52 0 top
~#112  ~  [via_pad_0.4x0.8mm]  172.78 63.25 0 top
~#113  ~  [via_pad_0.4x0.8mm]  158.69 69.6 0 top
~#114  ~  [via_pad_0.4x0.8mm]  153.99 65.91 0 top
~#115  ~  [via_pad_0.4x0.8mm]  83.12 70.87 0 top
~#116  ~  [via_pad_0.4x0.8mm]  104.71 60.71 0 top
~#117  ~  [via_pad_0.4x0.8mm]  101.66 64.52 0 top
~#118  ~  [via_pad_0.4x0.8mm]  99.76 64.52 0 top
~#119  ~  [via_pad_0.4x0.8mm]  92.65 59.44 0 top
~#120  ~  [via_pad_0.4x0.8mm]  85.15 59.44 0 top
~#121  ~  [via_pad_0.4x0.8mm]  78.68 65.79 0 top
~#122  ~  [via_pad_0.4x0.8mm]  77.41 72.77 0 top
~#123  ~  [via_pad_0.4x0.8mm]  75.63 74.68 0 top
~#124  ~  [via_pad_0.4x0.8mm]  60.39 75.31 0 top
~#125  ~  [via_pad_0.4x0.8mm]  54.55 74.04 0 top
~#126  ~  [via_pad_0.4x0.8mm]  61.53 70.87 0 top
~#127  ~  [via_pad_0.4x0.8mm]  71.69 71.25 0 top
~#128  ~  [via_pad_0.4x0.8mm]  73.09 69.72 0 top
~#129  ~  [via_pad_0.4x0.8mm]  73.22 65.79 0 top
~#130  ~  [via_pad_0.4x0.8mm]  58.99 65.79 0 top
~#131  ~  [via_pad_0.4x0.8mm]  61.53 65.79 0 top
~#132  ~  [via_pad_0.4x0.8mm]  55.82 65.79 0 top
~#133  ~  [via_pad_0.4x0.8mm]  43.75 68.83 0 top
~#134  ~  [via_pad_0.4x0.8mm]  9.84 70.36 0 top
~#135  ~  [via_pad_0.4x0.8mm]  249.87 57.02 0 top
~#136  ~  [via_pad_0.4x0.8mm]  247.08 46.86 0 top
~#137  ~  [via_pad_0.4x0.8mm]  232.35 46.74 0 top
~#138  ~  [via_pad_0.4x0.8mm]  238.06 46.74 0 top
~#139  ~  [via_pad_0.4x0.8mm]  232.47 53.97 0 top
~#140  ~  [via_pad_0.4x0.8mm]  238.19 53.72 0 top
~#141  ~  [via_pad_0.4x0.8mm]  244.54 43.05 0 top
~#142  ~  [via_pad_0.4x0.8mm]  225.36 60.71 0 top
~#143  ~  [via_pad_0.4x0.8mm]  222.82 46.86 0 top
~#144  ~  [via_pad_0.4x0.8mm]  208.22 46.74 0 top
~#145  ~  [via_pad_0.4x0.8mm]  213.93 46.74 0 top
~#146  ~  [via_pad_0.4x0.8mm]  208.22 53.97 0 top
~#147  ~  [via_pad_0.4x0.8mm]  214.06 53.72 0 top
~#148  ~  [via_pad_0.4x0.8mm]  176.59 59.44 0 top
~#149  ~  [via_pad_0.4x0.8mm]  152.46 60.71 0 top
~#150  ~  [via_pad_0.4x0.8mm]  159.45 46.74 0 top
~#151  ~  [via_pad_0.4x0.8mm]  159.45 53.72 0 top
~#152  ~  [via_pad_0.4x0.8mm]  165.04 53.72 0 top
~#153  ~  [via_pad_0.4x0.8mm]  149.92 46.86 0 top
~#154  ~  [via_pad_0.4x0.8mm]  141.03 46.74 0 top
~#155  ~  [via_pad_0.4x0.8mm]  135.19 46.74 0 top
~#156  ~  [via_pad_0.4x0.8mm]  135.19 53.72 0 top
~#157  ~  [via_pad_0.4x0.8mm]  141.03 53.09 0 top
~#158  ~  [via_pad_0.4x0.8mm]  126.05 46.86 0 top
~#159  ~  [via_pad_0.4x0.8mm]  116.78 46.74 0 top
~#160  ~  [via_pad_0.4x0.8mm]  111.06 46.74 0 top
~#161  ~  [via_pad_0.4x0.8mm]  111.06 53.97 0 top
~#162  ~  [via_pad_0.4x0.8mm]  116.78 53.09 0 top
~#163  ~  [via_pad_0.4x0.8mm]  86.93 46.74 0 top
~#164  ~  [via_pad_0.4x0.8mm]  92.65 53.09 0 top
~#165  ~  [via_pad_0.4x0.8mm]  87.06 53.97 0 top
~#166  ~  [via_pad_0.4x0.8mm]  77.41 44.32 0 top
~#167  ~  [via_pad_0.4x0.8mm]  55.94 59.44 0 top
~#168  ~  [via_pad_0.4x0.8mm]  62.93 53.97 0 top
~#169  ~  [via_pad_0.4x0.8mm]  68.64 53.09 0 top
~#170  ~  [via_pad_0.4x0.8mm]  68.64 46.74 0 top
~#171  ~  [via_pad_0.4x0.8mm]  62.8 46.74 0 top
~#172  ~  [via_pad_0.4x0.8mm]  32.32 58.93 0 top
~#173  ~  [via_pad_0.4x0.8mm]  34.61 53.09 0 top
~#174  ~  [via_pad_0.4x0.8mm]  38.67 53.97 0 top
~#175  ~  [via_pad_0.4x0.8mm]  53.28 44.32 0 top
~#176  ~  [via_pad_0.4x0.8mm]  20.38 56.26 0 top
~#177  ~  [via_pad_0.4x0.8mm]  14.67 57.53 0 top
~#178  ~  [via_pad_0.4x0.8mm]  14.67 53.72 0 top
~#179  ~  [via_pad_0.4x0.8mm]  20.38 53.09 0 top
~#180  ~  [via_pad_0.4x0.8mm]  23.56 54.61 0 top
